# Allegro board 2522-mb-pro_vc.brd (continued)
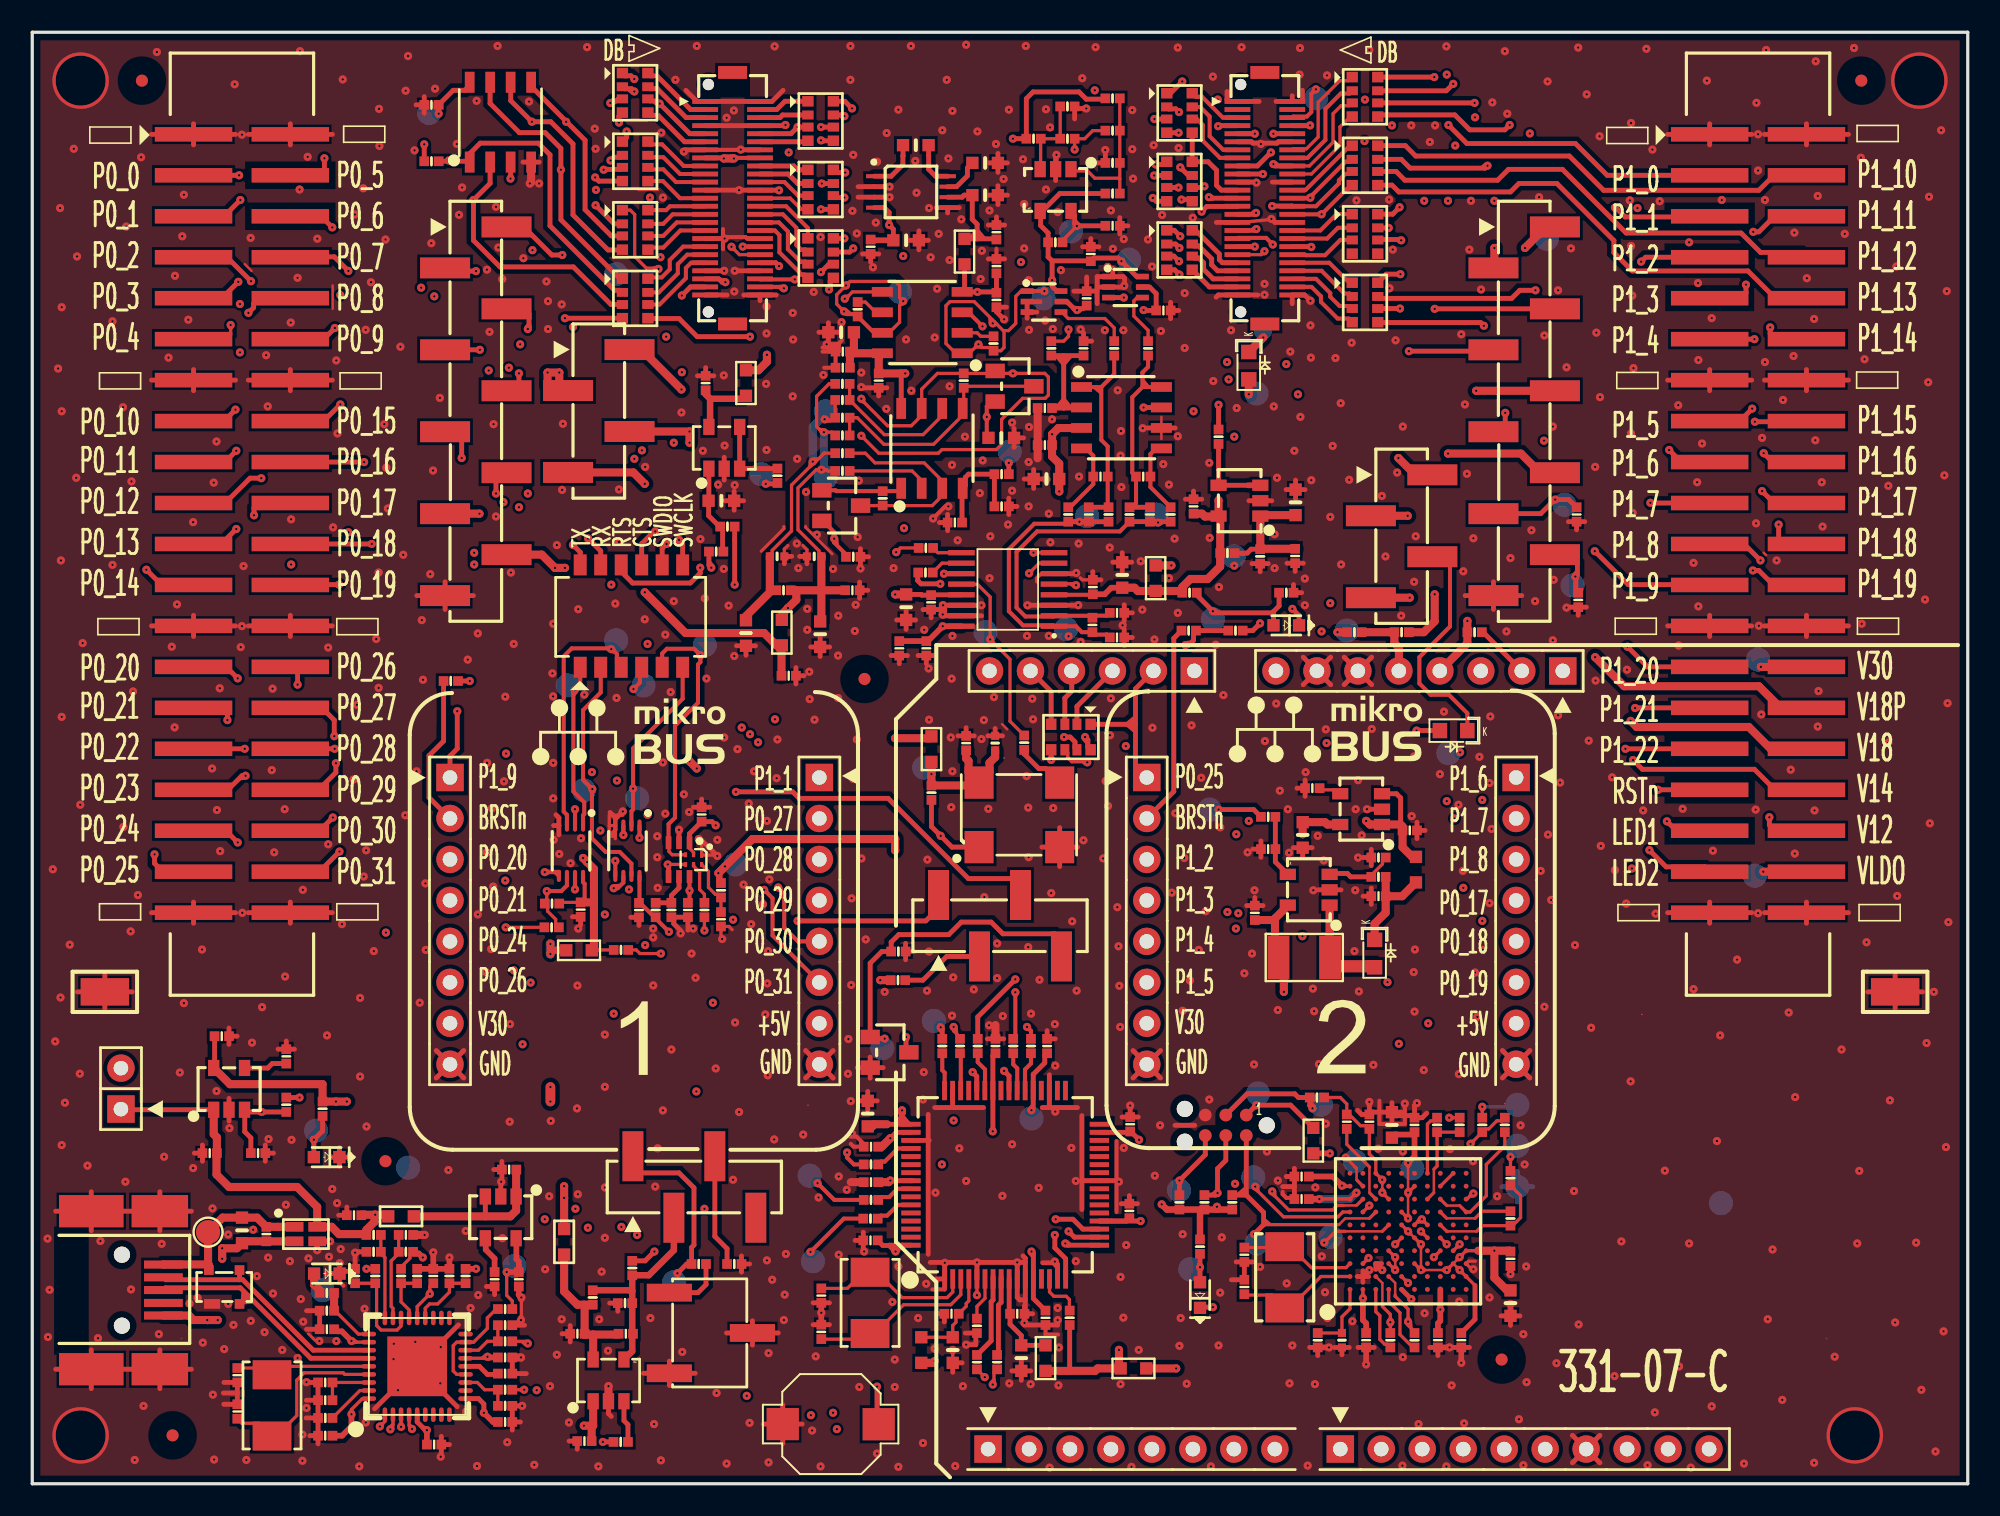
[diagram p0: board, top side]
## Library data of the parts
C1 C3 C4 C102 C103 C116 C117 C123 = C: room: 680
C6-C19 C98 C115 = C: room: Segger
C20 C21 C75-C80 C85 C87-C89 C95 C104 C107 C121 C122 = C: room: power
C22-C41 C43 C84 C91 C93 C96 C97 C99 C106 C108 C111-C114 C118-C120 = C: room: meas
C44 C57 C61 C86 C92 C109 C110 = C
C45-C55 C58 C60 C67 C74 C105 = C: room: FTDI
C56 C59 C62-C66 C68-C73 = C: room: USBHUB
D1 D2 D5 = LED: room: power
D3 D8 = DIODE: Tolerance: *
D4 = LED: room: USBHUB
D7 = PRTR5V0U2X: room: USBHUB
D9 = DIODE SHOTTKY: Tolerance: *; User Part Number: NP.RB521S30T1G; room: power
J1 J2 = HEADER 25x2/SM
J3 J4 = HEADER 20x2/SM
J5 J8-J10 = hdr_1x04_smt: room: meas
J6 = hdr_1x02: room: power
J7 = TagConnect: room: Segger
J11 J14-J18 = CONN SOCKET 08X1
J12 = CONN SOCKET 10X1
J13 = CONN SOCKET 06X1
J19 J20 = HEADER 10/SM
JS1-JS6 = jmp_str_s
K1 = SKPMAPE010
L1 = SRF0504_8: room: USBHUB
L2 = INDUCTOR: User Part Number: BRL3225T4R7M; Tolerance: *; room: power
LP1 LP5 LP8-LP10 LP13 = INDUCTOR: room: power
LP2 = INDUCTOR: room: Segger
LP3 LP4 LP12 = INDUCTOR: room: meas
LP6 LP7 = INDUCTOR: room: FTDI
LP11 = INDUCTOR: room: 680
Q1-Q3 = DMG1012UW-7
R1 = R: signal model: DEFAULT_RESISTOR_0.001OHM_2_1
R3 R46-R51 R54-R56 R58-R60 R62 R64 R66 R118 R120 R147 R150 = R: room: USBHUB
R4 R24 R85 R92 R95 R115 R116 R136 R137 R143-R146 R149 R151 R305-R307 R309 R312 R313 = R
R7 = R: room: 680; signal model: DEFAULT_RESISTOR_820OHM_2_1
R8 = R: room: Segger; signal model: DEFAULT_RESISTOR_820OHM_2_1
R9 = R: room: Segger; signal model: DEFAULT_RESISTOR_0.001OHM_2_1
R10-R19 R21 R37 R38 = R: room: Segger
R20 = R: room: Segger; signal model: DEFAULT_RESISTOR_10OHM_2_1
R23 R25 R70 R71 R83 R84 R93 R124 R138 R139 R314 = R: room: power
R26-R31 R33-R36 R39 R40 R44 R77 R78 R80 R109 R111 R112 R117 R119 R141 R142 R148 R310 R311 = R: room: meas
R52 R53 R57 R61 R63 R65 R67 R68 R81 R82 R114 R129 R135 R152 = R: room: FTDI
R72 R79 R121 R308 = R: room: 680
R127 = RESISTOR VAR
RN1-RN15 = RESAR_IS_4/SM: room: 680
S1 = SW DIP-6
T1-T5 = Bumpon
TP1-TP10 = TESTPOINT: room: Segger
TP11 TP19 TP20 TP36 TP58 TP59 TP64 TP74 = TESTPOINT: room: USBHUB
TP12-TP17 TP42 TP60-TP63 TP69 TP70 = TESTPOINT: room: meas
TP18 = TESTPOINT: room: FTDI
TP23 TP37-TP41 = TESTPOINT: room: power
TP24-TP27 TP45-TP47 TP66 TP71-TP73 TP78 = TESTPOINT
TP28 TP29 = TestPoint_Mech
TP30-TP32 TP44 TP48-TP52 TP54 TP56 TP57 TP75-TP77 = TESTPOINT: room: 680
TP65 = ESD_WARNING_LABEL
TP67 TP68 = MikroBUS_LOGO
U1 = LMV321AS5X: room: 680
U2 = SPI-PSRAM
U3 = LSF0101DRYR
U4 = ATSAM3U2CA-CU
U5 = AP2127K-ADJTRG1
U6 U9 = AD8572ARZ-REEL7
U7 = THS4521ID
U8 = ADS1271IPWR
U10 = LMV321AS5X: room: meas
U11 = USB2512B: room: USBHUB
U12 = FT2232HL: Tolerance: TOL
U13 U14 = RT9193
U15 U16 = NC7SB3157P6X
U17 = MIC5205-5.0YM5-TR
U18 = AP3012KTR-G1: room: power
U19 = AP331AWRG-7
U20 = LM7705
U21 = NTB0101GW
U22 U23 = NC7NZ34K8X
USB1 = USBminiB_6750310
Y1 = CRYSTAL: room: Segger
Y2 = oscillator: room: meas
Y3 = CRYSTAL: room: USBHUB
Y4 = CRYSTAL: room: FTDI

## Footprints (pads in the part's own frame, mm; a bottom-side part is the same pattern mirrored in y, then rotated)
3M_SJ61A1
  round 0.125 smd: 1(-0.249,0)
8VSSOP
  rect 1.02x0.25 smd: 1(-2.275,0.975) 2(-2.275,0.325) 3(-2.275,-0.325) 4(-2.275,-0.975) 5(2.275,-0.975) 6(2.275,-0.325) 7(2.275,0.325) 8(2.275,0.975)
3020-40-0300-00
  rect 0.9x4.8 smd: 1(-24.17,-3) 2(-24.17,3) 3(-21.63,-3) 4(-21.63,3) 5(-19.09,-3) 6(-19.09,3) 7(-16.55,-3) 8(-16.55,3) 9(-14.01,-3) 10(-14.01,3) 11(-11.47,-3) 12(-11.47,3) 13(-8.93,-3) 14(-8.93,3) 15(-6.39,-3) 16(-6.39,3) 17(-3.85,-3) 18(-3.85,3) 19(-1.31,-3) 20(-1.31,3) 21(1.23,-3) 22(1.23,3) 23(3.77,-3) 24(3.77,3) 25(6.31,-3) 26(6.31,3) 27(8.85,-3) 28(8.85,3) 29(11.39,-3) 30(11.39,3) 31(13.93,-3) 32(13.93,3) 33(16.47,-3) 34(16.47,3) 35(19.01,-3) 36(19.01,3) 37(21.55,-3) 38(21.55,3) 39(24.09,-3) 40(24.09,3)
87898-04XX
  rect 1.3x3.1 smd: 1(-3.81,1.905) 2(-1.27,-1.905) 3(1.27,1.905) 4(3.81,-1.905)
10132797-05XX
  rect 0.8x1.8 smd: (-7.8,0) (7.8,0)
  round 0.7 hole 0.7 unplated: (-7.05,1.5) (7.05,1.5)
  rect 0.3x1.6 smd: 1(6,1.7) 2(6,-1.7) 3(5.5,1.7) 4(5.5,-1.7) 5(5,1.7) 6(5,-1.7) 7(4.5,1.7) 8(4.5,-1.7) 9(4,1.7) 10(4,-1.7) 11(3.5,1.7) 12(3.5,-1.7) 13(3,1.7) 14(3,-1.7) 15(2.5,1.7) 16(2.5,-1.7) 17(2,1.7) 18(2,-1.7) 19(1.5,1.7) 20(1.5,-1.7) 21(1,1.7) 22(1,-1.7) 23(0.5,1.7) 24(0.5,-1.7) 25(0,1.7) 26(0,-1.7) 27(-0.5,1.7) 28(-0.5,-1.7) 29(-1,1.7) 30(-1,-1.7) 31(-1.5,1.7) 32(-1.5,-1.7) 33(-2,1.7) 34(-2,-1.7) 35(-2.5,1.7) 36(-2.5,-1.7) 37(-3,1.7) 38(-3,-1.7) 39(-3.5,1.7) 40(-3.5,-1.7) 41(-4,1.7) 42(-4,-1.7) 43(-4.5,1.7) 44(-4.5,-1.7) 45(-5,1.7) 46(-5,-1.7) 47(-5.5,1.7) 48(-5.5,-1.7) 49(-6,1.7) 50(-6,-1.7)
C1005
  rect 0.599x0.599 smd: 1(-0.447,0) 2(0.447,0)
C1608
  rect 0.762x0.762 smd: 1(-0.792,0) 2(0.792,0)
ESD_WARNING_LABEL
  round 0.1 smd: 1(0,0)
FID_750
  round 0.75 smd: 1(0,0)
HDR_254_1X02
  rect 1.7x1.7 hole 0.9: 1(-1.27,0)
  round 1.7 hole 0.9: 2(1.27,0)
HDR_254_1X10_S
  rect 1.3x3.1 smd: 1(-11.43,1.905) 2(-8.89,-1.905) 3(-6.35,1.905) 4(-3.81,-1.905) 5(-1.27,1.905) 6(1.27,-1.905) 7(3.81,1.905) 8(6.35,-1.905) 9(8.89,1.905) 10(11.43,-1.905)
JMP_254_S_K
  round 0.1 smd: 1(-1.27,1.905) 2(1.27,-1.905)
JMP_254_S_KR
  round 0.1 smd: 1(1.27,1.905) 2(-1.27,-1.905)
L1608
  rect 0.762x0.762 smd: 1(-0.792,0) 2(0.792,0)
L3225
  rect 1.349x2.7 smd: 1(-1.6,0) 2(1.6,0)
LED1608
  rect 0.762x0.762 smd: 1(-0.792,0) 2(0.792,0)
MIKROBUS
  round 0.1 smd: 1(10.795,-11.43)
QFN50P600X600X100-37N
  oval 0.9x0.28 smd: 1(-3,2) 2(-3,1.5) 3(-3,1) 4(-3,0.5) 5(-3,0) 6(-3,-0.5) 7(-3,-1) 8(-3,-1.5) 9(-3,-2) 19(3,-2) 20(3,-1.5) 21(3,-1) 22(3,-0.5) 23(3,0) 24(3,0.5) 25(3,1) 26(3,1.5) 27(3,2)
  oval 0.28x0.9 smd: 10(-2,-3) 11(-1.5,-3) 12(-1,-3) 13(-0.5,-3) 14(0,-3) 15(0.5,-3) 16(1,-3) 17(1.5,-3) 18(2,-3) 28(2,3) 29(1.5,3) 30(1,3) 31(0.5,3) 32(0,3) 33(-0.5,3) 34(-1,3) 35(-1.5,3) 36(-2,3)
  rect 3.7x3.7 smd: GND(0,0)
QFP50P1200X1200X160-64N
  rect 1.2x0.3 smd: 1(-5.84,3.75) 2(-5.84,3.25) 3(-5.84,2.75) 4(-5.84,2.25) 5(-5.84,1.75) 6(-5.84,1.25) 7(-5.84,0.75) 8(-5.84,0.25) 9(-5.84,-0.25) 10(-5.84,-0.75) 11(-5.84,-1.25) 12(-5.84,-1.75) 13(-5.84,-2.25) 14(-5.84,-2.75) 15(-5.84,-3.25) 16(-5.84,-3.75) 33(5.84,-3.74) 34(5.84,-3.24) 35(5.84,-2.74) 36(5.84,-2.24) 37(5.84,-1.74) 38(5.84,-1.24) 39(5.84,-0.74) 40(5.84,-0.24) 41(5.84,0.26) 42(5.84,0.76) 43(5.84,1.26) 44(5.84,1.76) 45(5.84,2.26) 46(5.84,2.76) 47(5.84,3.26) 48(5.84,3.76)
  rect 0.3x1.2 smd: 17(-3.75,-5.84) 18(-3.25,-5.84) 19(-2.75,-5.84) 20(-2.25,-5.84) 21(-1.75,-5.84) 22(-1.25,-5.84) 23(-0.75,-5.84) 24(-0.25,-5.84) 25(0.25,-5.84) 26(0.75,-5.84) 27(1.25,-5.84) 28(1.75,-5.84) 29(2.25,-5.84) 30(2.75,-5.84) 31(3.25,-5.84) 32(3.75,-5.84) 49(3.75,5.84) 50(3.25,5.84) 51(2.75,5.84) 52(2.25,5.84) 53(1.75,5.84) 54(1.25,5.84) 55(0.75,5.84) 56(0.25,5.84) 57(-0.25,5.84) 58(-0.75,5.84) 59(-1.25,5.84) 60(-1.75,5.84) 61(-2.25,5.84) 62(-2.75,5.84) 63(-3.25,5.84) 64(-3.75,5.84)
R1005
  rect 0.599x0.599 smd: 1(-0.447,0) 2(0.447,0)
R1608
  rect 0.762x0.762 smd: 1(-0.792,0) 2(0.792,0)
RN_MNR14
  rect 0.65x0.7 smd: 1(-1.22,-0.79) 4(1.23,-0.79) 5(1.23,0.79) 8(-1.22,0.79)
  rect 0.55x0.7 smd: 2(-0.37,-0.79) 3(0.38,-0.79) 6(0.38,0.79) 7(-0.37,0.79)
SCK_254_1X06
  rect 1.7x1.7 hole 0.9: 1(-6.35,0)
  round 1.7 hole 0.9: 2(-3.81,0) 3(-1.27,0) 4(1.27,0) 5(3.81,0) 6(6.35,0)
SCK_254_1X08
  rect 1.7x1.7 hole 0.9: 1(-8.89,0)
  round 1.7 hole 0.9: 2(-6.35,0) 3(-3.81,0) 4(-1.27,0) 5(1.27,0) 6(3.81,0) 7(6.35,0) 8(8.89,0)
SCK_254_1X10
  rect 1.7x1.7 hole 0.9: 1(-11.43,0)
  round 1.7 hole 0.9: 2(-8.89,0) 3(-6.35,0) 4(-3.81,0) 5(-1.27,0) 6(1.27,0) 7(3.81,0) 8(6.35,0) 9(8.89,0) 10(11.43,0)
SKPMAPE010
  rect 2x2 smd: 1(-2.98,0.01) 2(2.97,0)
SOD-523
  rect 0.9x0.95 smd: 1(-0.85,0) 2(0.85,0)
SOIC127P600X175-8N
  rect 1.3x0.6 smd: 1(-2.475,1.905) 2(-2.475,0.635) 3(-2.475,-0.635) 4(-2.475,-1.905) 5(2.475,-1.905) 6(2.475,-0.635) 7(2.475,0.635) 8(2.475,1.905)
SON50P150X105X60-6N
  rect 0.35x0.2 smd: 1(-0.28,0.5)
  rect 0.3x0.2 smd: 2(-0.3,0) 3(-0.3,-0.5) 4(0.3,-0.5) 5(0.3,0) 6(0.3,0.5)
SOP50P310X90-8N
  oval 0.75x0.25 smd: 1(-1.562,0.75) 2(-1.562,0.25) 3(-1.562,-0.25) 4(-1.562,-0.75) 5(1.562,-0.75) 6(1.562,-0.25) 7(1.562,0.25) 8(1.562,0.75)
SOP65P640X120-16N
  rect 1.65x0.33 smd: 1(-2.87,2.28) 2(-2.87,1.63) 3(-2.87,0.98) 4(-2.87,0.33) 5(-2.87,-0.33) 6(-2.87,-0.98) 7(-2.87,-1.63) 8(-2.87,-2.28) 9(2.87,-2.28) 10(2.87,-1.63) 11(2.87,-0.98) 12(2.87,-0.33) 13(2.87,0.33) 14(2.87,0.98) 15(2.87,1.63) 16(2.87,2.28)
SOT65P210X110-6N
  rect 0.8x0.35 smd: 1(-1.05,0.65) 2(-1.05,0) 3(-1.05,-0.65) 4(1.05,-0.65) 5(1.05,0) 6(1.05,0.65)
SOT95P237X112-3N
  rect 0.9x1.2 smd: 1(-0.95,-1.2) 2(0.95,-1.2) 3(0,1.2)
SOT95P280X110-5N
  rect 1.001x0.701 smd: 1(-1.31,1) 2(-1.31,0.05) 3(-1.31,-0.91) 4(1.28,-0.91) 5(1.28,1)
SOT95P280X145-5N
  rect 1.001x0.701 smd: 1(-1.31,1) 2(-1.31,0.05) 3(-1.31,-0.91) 4(1.28,-0.91) 5(1.28,1)
SOT143
  rect 1x0.6 smd: 1(-0.75,-1.05)
  rect 0.6x0.6 smd: 2(0.95,-1.05) 3(0.95,1.05) 4(-0.95,1.05)
SRF2012
  rect 1.1x0.6 smd: 1(-0.7,0.45) 2(0.7,0.45) 3(0.7,-0.45) 4(-0.7,-0.45)
SW_DIP_97C06SRT
  rect 0.8x1.3 smd: 1(-3.175,-3.175) 2(-1.905,-3.175) 3(-0.635,-3.175) 4(0.635,-3.175) 5(1.905,-3.175) 6(3.175,-3.175) 7(3.175,3.175) 8(1.905,3.175) 9(0.635,3.175) 10(-0.635,3.175) 11(-1.905,3.175) 12(-3.175,3.175)
TC2030-IDC-NL
  round 1 hole 1 unplated: (-2.54,0) (2.54,1.016) (2.54,-1.016)
  round 0.787 smd: 1(-1.27,-0.635) 2(-1.27,0.635) 3(0,-0.635) 4(0,0.635) 5(1.27,-0.635) 6(1.27,0.635)
TFBGA100
  round 0.3 smd: A1(-3.6,3.6) A2(-2.8,3.6) A3(-2,3.6) A4(-1.2,3.6) A5(-0.4,3.6) A6(0.4,3.6) A7(1.2,3.6) A8(2,3.6) A9(2.8,3.6) A10(3.6,3.6) B1(-3.6,2.8) B2(-2.8,2.8) B3(-2,2.8) B4(-1.2,2.8) B5(-0.4,2.8) B6(0.4,2.8) B7(1.2,2.8) B8(2,2.8) B9(2.8,2.8) B10(3.6,2.8) C1(-3.6,2) C2(-2.8,2) C3(-2,2) C4(-1.2,2) C5(-0.4,2) C6(0.4,2) C7(1.2,2) C8(2,2) C9(2.8,2) C10(3.6,2) D1(-3.6,1.2) D2(-2.8,1.2) D3(-2,1.2) D4(-1.2,1.2) D5(-0.4,1.2) D6(0.4,1.2) D7(1.2,1.2) D8(2,1.2) D9(2.8,1.2) D10(3.6,1.2) E1(-3.6,0.4) E2(-2.8,0.4) E3(-2,0.4) E4(-1.2,0.4) E5(-0.4,0.4) E6(0.4,0.4) E7(1.2,0.4) E8(2,0.4) E9(2.8,0.4) E10(3.6,0.4) F1(-3.6,-0.4) F2(-2.8,-0.4) F3(-2,-0.4) F4(-1.2,-0.4) F5(-0.4,-0.4) F6(0.4,-0.4) F7(1.2,-0.4) F8(2,-0.4) F9(2.8,-0.4) F10(3.6,-0.4) G1(-3.6,-1.2) G2(-2.8,-1.2) G3(-2,-1.2) G4(-1.2,-1.2) G5(-0.4,-1.2) G6(0.4,-1.2) G7(1.2,-1.2) G8(2,-1.2) G9(2.8,-1.2) G10(3.6,-1.2) H1(-3.6,-2) H2(-2.8,-2) H3(-2,-2) H4(-1.2,-2) H5(-0.4,-2) H6(0.4,-2) H7(1.2,-2) H8(2,-2) H9(2.8,-2) H10(3.6,-2) J1(-3.6,-2.8) J2(-2.8,-2.8) J3(-2,-2.8) J4(-1.2,-2.8) J5(-0.4,-2.8) J6(0.4,-2.8) J7(1.2,-2.8) J8(2,-2.8) J9(2.8,-2.8) J10(3.6,-2.8) K1(-3.6,-3.6) K2(-2.8,-3.6) K3(-2,-3.6) K4(-1.2,-3.6) K5(-0.4,-3.6) K6(0.4,-3.6) K7(1.2,-3.6) K8(2,-3.6) K9(2.8,-3.6) K10(3.6,-3.6)
TP3216
  rect 3x1.7 smd: 1(0,0)
TP_1150U
  round 1.15 smd: 1(0,0)
TP_BOT_SM
  round 1.5 smd: 1(0,0)
TRIM_84W
  rect 2.8x1.1 smd: 1(-2.5,-2.5) 2(2.65,0) 3(-2.5,2.5)
USB_67503-1020
  round 1 hole 1 unplated: (-0.059,2.2) (-0.059,-2.2)
  rect 2.4x0.5 smd: 1(-2.63,-1.59) 2(-2.63,-0.8) 3(-2.63,-0.01) 4(-2.63,0.79) 5(-2.63,1.57)
  rect 3.5x2 smd: 6(-2.411,4.9) 9(-2.411,-4.9)
  rect 4x2 smd: 7(1.841,4.9) 8(1.841,-4.9)
XT_OSC_7X5
  rect 1.8x2 smd: 1(0,0) 2(5,0) 3(5,4) 4(0,4)
XTAL_5X3
  rect 1.8x2.4 smd: 1(-1.9,0) 2(1.9,0)
Z1005
  rect 0.5x0.5 smd: 1(-0.45,0) 2(0.45,0)

## Nets
3.3V: C4.2 C33.1 C34.2 C50.1 C51.2 C52.2 C53.2 C60.2 C117.2 J19.9 LP1.1 LP6.1 LP7.1 LP9.2 LP10.1 R1.1 R38.1 R65.1 R309.1 TP38.1 U8.13(DVDD) U12.20(VCCIO#20) U12.31(VCCIO#31) U12.42(VCCIO#42) U12.50(VREGIN) U12.56(VCCIO#56) U21.6(VCCB) U23.8(VCC)
3.3VA: C36.2 C40.2 LP10.2 R77.1 TP40.1 Y2.4(VCC)
5.0V: C86.1 J19.8 LP11.2 LP12.2 TP39.1 U17.5(OUT)
5.0VA: C23.2 C24.1 C26.1 C27.2 C31.1 C32.2 C38.2 C91.2 C93.2 C95.1 C96.2 C97.2 LP12.1 R78.1 R118.1 R135.2 TP15.1 U6.8(V+) U7.3(+VCC) U7.7(EN) U8.4(AVDD) U9.8(V+) U10.5(+VCC) U15.5(VCC) U16.5(VCC) U19.5(+VCC)
6.0V: C87.2 D9.2(A) LP13.2 TP37.1 U17.1(IN) U17.3(EN)
GND: C1.1 C3.1 C4.1 C6.1 C7.1 C8.1 C9.1 C10.1 C11.1 C12.1 C13.1 C14.1 C15.1 C17.2 C18.2 C19.1 C20.2 C21.1 C23.1 C24.2 C25.2 C26.2 C27.1 C28.1 C29.1 C31.2 C32.1 C33.2 C34.1 C35.2 C36.1 C38.1 C39.1 C40.1 C41.1 C43.1 C44.2 C45.2 C46.1 C47.2 C48.1 C49.1 C50.2 C51.1 C52.1 C53.1 C54.2 C55.1 C56.2 C58.1 C59.1 C60.1 C61.2 C63.2 C64.2 C65.2 C66.2 C67.1 C68.2 C69.2 C70.2 C71.1 C72.1 C73.1 C74.2 C75.1 C76.1 C77.1 C78.1 C79.2 C80.1 C84.1 C85.1 C86.2 C87.1 C88.2 C89.1 C91.1 C92.1 C93.1 C95.2 C96.1 C97.1 C98.2 C99.1 C102.1 C103.2 C104.1 C105.1 C106.1 C107.2 C108.1 C110.2 C111.2 C112.1 C113.2 C114.1 C116.2 C117.1 C118.1 C121.2 C122.2 C123.2 D4.1(CATHODE) D5.1(CATHODE) D7.1(GND) J1.1 J1.2 J1.7 J1.8 J1.13 J1.14 J1.23 J1.24 J1.35 J1.36 J1.43 J1.44 J1.49 J1.50 J2.1 J2.2 J2.11 J2.12 J2.21 J2.22 J2.31 J2.32 J2.37 J2.38 J2.49 J2.50 J3.1 J3.2 J3.13 J3.14 J3.25 J3.26 J3.39 J3.40 J4.1 J4.2 J4.13 J4.14 J4.25 J4.26 J4.39 J4.40 J7.5 J11.6 J11.7 J12.7 J15.8 J16.8 J17.8 J18.8 J19.10 J20.10 K1.2 L1.3 Q3.2(S) R21.2 R25.2 R33.2 R49.2 R50.2 R51.2 R54.2 R56.2 R57.1 R58.2 R60.2 R64.2 R80.2 R84.2 R93.1 R112.2 R115.1 R120.2 R127.1(A) R127.2(WIPER) R136.1 R139.1 R148.2 R149.2 R150.2 R306.2 T1.1 T2.1 T3.1 T4.1 T5.1 TP24.1 TP25.1 TP26.1 TP27.1 TP28.1 TP29.1 TP65.1 TP67.1(GND) TP68.1(GND) TP78.1 U1.2(-VCC) U2.4(GND) U3.1(GND) U4.B2(GNDUTMI) U4.C3(GNDPLL) U4.E2(GND2) U4.E5(GNDBU) U4.F6(GND1) U4.G6(GND3) U4.J4(PA30) U4.K3(GNDANA) U5.2(GND) U7.6(-VCC) U8.3(AGND) U8.6(FORMAT) U8.14(DGND) U8.15(VREFN) U10.2(-VCC) U11.GND U12.1(GND#1) U12.5(GND#5) U12.10(AGND) U12.11(GND#11) U12.15(GND#15) U12.25(GND#25) U12.35(GND#35) U12.47(GND#47) U12.51(GND#51) U13.2(GND) U14.2(GND) U15.1(B1) U15.2(GND) U16.2(GND) U16.3(B0) U17.2(GND) U18.2(GND) U19.2(-VCC) U20.2(VSS#2) U20.3(SD) U20.5(VSS#5) U21.2(GND) U22.4(GND) U23.4(GND) USB1.6(GND1) USB1.7(GND2) USB1.8(GND3) USB1.9(GND4) Y2.2(GND)
V12: C103.1 J2.29 J4.36 J20.9 TP31.1
V14: C102.2 J2.25 J4.34 J20.8 TP32.1
V18: C92.2 J2.27 J4.32 J20.1 R92.2 TP75.1 U2.8(VCC)
V18P: J2.17 J4.30 J20.2
V30: J2.19 J4.28 J11.4 J15.7 J17.7 J20.7 R3.1 R143.2 TP57.1
VBAT: J2.9 J20.6
VBAT_IN: J1.15 J1.16 J4.38 J9.3 JS4.1 TP12.1
VBATN: J2.7 J20.5
VBUS: J2.10 J20.4
VBUS_HUB: C20.1 C56.1 C79.1 J6.1 L1.2 LP2.2 LP8.2 R37.1 R47.1 R307.1 TP19.1 U5.1(VIN) U14.1(VIN)
VBUSN: J2.8 J20.3 R305.1
VDD_3V3_HUB: C68.1 C69.1 C70.1 C71.2 C72.2 C73.2 C77.2 R46.1 R48.1 R59.2 R62.2 R66.2 TP23.1 U11.5(VDD33_1) U11.10(VDD33_2) U11.15(VDD33_3) U11.23(VDD33_4) U11.29(VDD33_5) U11.36(VDD33_6) U13.5(VOUT)
VDD_3V3_PERF: C10.2 C11.2 C12.2 C13.2 C14.2 C16.2 C80.2 C113.1 C114.2 LP9.1 R10.1 R11.1 R12.1 R13.1 R18.1 R70.2 U4.A8(VDDIN) U4.B3(VDDUTMI) U4.C10(VDDBU) U4.D8(FWUP) U4.E6(VDDIO3) U4.F3(VDDIO1) U4.F5(VDDIO2) U4.J3(ADVREF) U4.K2(VDDANA) U4.K4(AD12BVREF) U14.5(VOUT) U20.4(VDD)
VDD_CORE: C6.2 C7.2 C8.2 C9.2 C15.2 TP1.1 U4.A9(VDDOUT) U4.B1(VDDCORE3) U4.D3(VDDPLL) U4.D4(VDDCORE1) U4.E7(VDDCORE2) U4.F9(VDDCORE4) U4.G5(VDDCORE5) U4.H1(VDDCORE6)
VDDIO: C3.2 C116.1 R4.1 R72.1 TP44.1 U3.2(VA) U21.1(VCCA) U22.8(VCC)
VINN: C37.2 C39.2 C119.1 R26.1 R31.2 TP13.1 U8.2(AINN)
VINP: C35.1 C37.1 C120.1 R34.2 R35.1 TP14.1 U8.1(AINP)
-VGG: C107.1 C108.2 LP3.1 R151.2 TP70.1 U9.4(V-)
_ADC0: J2.26 RN8.2 RN9.6
_ADC1: J1.38 RN13.5 RN14.8
_ADC2: J1.10 RN3.3 RN14.7
_ADC3: J1.9 RN1.6 RN14.6
_ADC4: J2.30 RN8.4 RN14.5
_ADC5: J2.28 RN8.3 RN9.5
_PWM1: J2.18 RN7.3 RN9.7
_PWM2: J2.23 RN5.5 RN9.8
A_D4_2: D2.2(ANODE) R18.2 TP9.1
AD_DI: J19.3 R63.2 U8.8(DIN)
AD_DO: J19.2 Q3.3(D) R39.1 U12.40(BDBUS2)
AD_DRDY: J19.6 R40.2 U12.44(BDBUS5)
AD_MODE: J19.7 R68.2 U8.5(MODE)
AD_SCLK: J19.4 R61.2 U8.11(SCLK)
AD_SYNC: J19.5 R67.2 U8.7(\S\Y\N\C\\/\P\D\W\N\\\)
ADC0: J13.1 J15.1 RN9.3
ADC1: J13.2 J17.1 RN14.1
ADC2: J13.3 RN14.2
ADC3: J13.4 RN14.3
ADC4: J13.5 RN14.4
ADC5: J13.6 RN9.4
BRSTN: R144.1 R145.1 R146.1 U23.2(3Y)
C_TRIG: J8.4 JS2.2 Q3.1(G) R120.1 TP56.1
D0: J4.7 J14.1 J17.3 RN5.2
D1: J4.9 J14.2 J17.4 RN7.7
D2: J4.11 J14.3 J17.5 RN5.1
D3: J4.15 J14.4 J17.6 RN7.8
D4: J4.19 J14.5 J18.2 RN7.5
D5: J4.21 J14.6 J18.3 RN6.1
DFSDM: R19.1 U4.D1(DFSDM)
DFSDP: R20.1 U4.C1(DFSDP)
ERASE: TP3.1 U4.D6(ERASE)
HDRVM: J1.48 J10.2
HDRVP: J1.46 J10.1
IOREF: J11.2 R143.1
JRST: D3.1(CATHODE) J10.3 JS6.1
LED1: J2.33 J4.35
LED2: J2.35 J4.37
M33_SWCLK: S1.6(A6) TP54.1 U22.2(3Y)
M33_SWDIO: S1.5(A5) TP49.1 U3.3(A) U21.3(A)
NRST: J7.3 R12.2 TP5.1 U4.B7(NRST)
NRSTB: C16.1 U4.C8(NRSTB)
OSC_EN: J19.1 R77.2 R82.2 TP58.1 Y2.1(E/D)
P0_0: J3.3 RN10.3 U2.5(SI/SIO0)
P0_1: J3.5 RN13.3 U2.2(SO/SIO1)
P0_2: J3.7 RN11.5 U2.3(SIO2)
P0_3: J3.9 RN13.1 U2.7(SIO3)
P0_4: J3.11 R92.1 RN13.2 U2.1(C\E\)
P0_5: J3.4 RN10.4 U2.6(SCLK)
P0_6: J3.6 J8.1 JS1.1 RN11.6
P0_7: J3.8 RN3.5 S1.9(B4)
P0_8: J3.10 RN3.6 S1.11(B2)
P0_9: J3.12 RN1.3 S1.12(B1)
P0_10: J3.15 RN3.8 S1.8(B5)
P0_11: J3.17 RN3.7 S1.7(B6)
P0_12: J3.19 R308.1 RN1.1
P0_13: J3.21 RN1.2
P0_14X: J1.45 J3.23
P0_15X: J1.47 J3.16
P0_16: J3.18 J8.3 JS2.1 RN4.7
P0_17: J3.20 J14.7 J18.4 RN4.5
P0_18: J3.22 J14.8 J18.5 RN4.6
P0_19: J3.24 J12.1 J18.6 RN2.2
P0_20: J3.27 J12.2 J15.3 RN2.1
P0_21: J3.29 J12.3 J15.4 RN2.3
P0_22X: J1.42 J3.31
P0_23X: J1.40 J3.33
P0_24: J3.35 J12.4 J15.5 RN10.1
P0_25: J3.37 RN13.4
P0_26: J3.28 J12.5 J15.6 RN4.8
P0_27: J3.30 J12.6 J16.2 RN11.8
P0_28: J3.32 J12.9 J16.3 RN11.7
P0_29: J3.34 J12.10 J16.4 RN2.4
P0_30: J3.36 J16.5 RN1.4
P0_31: J3.38 J16.6 RN10.2
P1_0: J4.3 RN5.3 S1.10(B3)
P1_1: J4.5 RN7.6
P1_6: J4.17 RN5.4
P1_9: J4.23 RN8.7
P1_10: J4.4 RN8.8
P1_11: J4.6 RN12.7
P1_12: J4.8 RN8.6
P1_13: J4.10 RN8.5
P1_14: J4.12 RN12.8
P1_15: J4.16 RN6.2
P1_16: J4.18 RN6.3
P1_17: J4.20 RN6.4
P1_18: J4.22 RN12.6
P1_19: J4.24 RN15.8
P1_20: J4.27 RN15.7
P1_21: J4.29 RN15.6
P1_22: J4.31 RN15.5
PA4: R8.2 U4.G10(PA4/PGMM0)
PA15: R14.1 R15.2 U4.H6(PA15/PGMD7)
PA17: R16.2 U4.H8(PA24) U4.K7(PA17/PGMD9)
PA18: R14.2 U4.H7(PA18/PGMD10)
PA22: R16.1 R17.2 U4.H4(PA22/PGMD14)
PA29: D2.1(CATHODE) U4.E1(PA29)
PWM1: J16.1 RN9.2
PWM2: J18.1 RN9.1
PWR_ENABLE: R24.2 R71.2 R85.1 R124.2 R129.2 TP20.1
RSTN: D3.2(ANODE) J2.6 J4.33 TP30.1
SWO/TDO: J7.6 R13.2 TP10.1 U4.B8(TDO/TRACESWO)
T_RESET: J10.4 JS6.2 R9.1 R81.2 TP2.1
T_SWCLK: R17.1 TP77.1 U22.6(3A)
T_SWDIO: R1.2 R15.1 TP76.1 U3.4(B) U21.4(B)
TCK/SWCLK: J7.4 R11.2 TP7.1 U4.A7(TCK/SWCLK)
TDI: TP8.1 U4.B9(TDI)
TDIIN: U4.H5(PA13/PGMD5) U4.K8(PA20/PGMD12)
TMS/SWDIO: J7.2 R10.2 TP6.1 U4.C7(TMS/SWDIO)
TRSTIN: U4.H9(PA1/PGMRDY) U4.J10(PA0/PGMNCMD)
U_CTS: U12.18(ADBUS2) U22.3(2A)
U_RTS: U12.19(ADBUS3) U23.5(2Y)
U_RX: U12.16(ADBUS0) U22.1(1A)
U_TX: U12.17(ADBUS1) U23.7(1Y)
UCTS: S1.4(A4) TP52.1 U22.5(2Y)
URTS: S1.3(A3) TP51.1 U23.3(2A)
URX: S1.2(A2) TP50.1 U22.7(1Y)
USBDM: D7.3(IO2) U11.30(USBDM_UP) USB1.2
USBDM_1: R19.2 U4.D2(DHSDM) U11.1(USBDM_DN1)
USBDM_2: R52.1 U11.3(USBDM_DN2/PRT_DIS_M2)
USBDP: D7.2(IO1) U11.31(USBDP_UP) USB1.3
USBDP_1: R20.2 U4.C2(DHSDP) U11.2(USBDP_DN1)
USBDP_2: R53.1 U11.4(USBDP_DN2/PRT_DIS_P2)
UTX: S1.1(A1) TP48.1 U23.1(1A)
VBG: C19.2 R21.1 U4.A1(VBG)
VGS: C118.2 R150.1 R151.1 U6.4(V-)
VLDO: J9.2 JS3.2 LP5.1
VLED: D9.1(C) J2.39 TP66.1
VOVL: Q2.1(G) R119.1 R138.2 R311.2 U6.7(OUT)
VREF: C43.2 C84.2 R79.1 R95.2 R117.1 R137.1 R147.1 TP16.1 U8.16(VREFP)
VREG: C47.1 C48.2 C49.2 C61.1 TP18.1 U12.12(VCORE#12) U12.37(VCORE#37) U12.49(VREGOUT) U12.64(VCORE#64)
VS-: C28.2 C122.1 LP4.1 R28.1 R30.1 R111.1 R141.1 R306.1 R314.2 TP63.1
VX5V: J11.5 J16.7 J18.7 R305.2 R307.2
XIN: C17.1 U4.A2(XIN) Y1.1
XOUT: C18.1 U4.A3(XOUT) Y1.2
N17073868: J7.1 LP2.1 TP4.1
N17073961: R8.1 R9.2 U4.G8(PA3/PGMNVALID)
N17077772: C75.2 LP8.1 U13.1(VIN) U13.3(EN)
N17077776: C78.2 U14.4(BP)
N17077811: C76.2 U13.4(BP)
N17078999: D4.2(ANODE) R55.2 TP36.1
N17079038: C58.2 U11.14(CRFILT)
N17079102: R50.1 R124.1 U11.12(PRTPWR1/BC_EN1)
N17079104: C63.1 U11.32(XTALOUT) Y3.1
N17079112: C64.1 U11.33(XTALIN/CLKIN) Y3.2
N17079122: R49.1 R129.1 U11.16(PRTPWR2/BC_EN2)
N17079130: C59.2 R48.2 U11.26(RESET_N)
N17079172: C65.1 C66.1 U11.34(PLLFILT)
N17079184: R54.1 U11.35(RBIAS)
N17079186: R46.2 U11.13(OCS_N1) U11.17(OCS_N2)
N17079220: C57.1 C62.1 D7.4(VCC) L1.1 TP74.1 USB1.1
N17079268: C57.2 C62.2 L1.4 USB1.5(GND)
N17079327: R47.2 R51.1 U11.27(VBUS_DET)
N17079355: R55.1 R56.1 U11.28(SUSP_IND/LOCAL_PWR/NON_REM0)
N17079359: R64.1 R66.1 U11.22(SDA/NON_REM1/SMBDATA)
N17079379: R58.1 R59.1 U11.25(HS_IND/CFG_SEL1)
N17079385: R60.1 R62.1 U11.24(SMBCLK/CFG_SEL0/SCL)
N17082298: R44.2 TP17.1 U8.12(CLK)
N17082660: R39.2 U8.9(DOUT)
N17082690: R40.1 U8.10(\D\R\D\Y\/FSYNC)
N17082834: R44.1 Y2.3(OUT)
N17121659: Q1.1(G) R310.2 U6.1(OUT)
N17121678: C22.2 C119.2 R26.2 R29.1 U7.8(+IN)
N17121692: Q1.3(D) R27.2 R310.1 U6.3(+IN)
N17121694: R30.2 U6.2(-IN)
N17121873: C25.1 C106.2 J9.1 JS3.1 R27.1 R28.2 R109.1 R142.1 TP62.1
N17121979: Q1.2(S) R33.1 U9.5(+IN)
N17122254: C22.1 R31.1 U7.5(OUT-)
N17122256: C30.1 R34.1 U7.4(OUT+)
N17122316: C30.2 C120.2 R35.2 R36.1 U7.1(-IN)
N17122322: R29.2 U15.4(A)
N17136414: R72.2 U1.3(-IN) U1.4(OUT)
N17136436: C1.2 LP11.1 U1.5(+VCC)
N17136444: R3.2 R147.2 R148.1 U1.1(+IN)
N17154929: R61.1 U12.38(BDBUS0)
N17154945: R63.1 U12.39(BDBUS1)
N17154973: R68.1 U12.52(BCBUS1)
N17155001: R67.1 U12.43(BDBUS4)
N17155045: C67.2 U12.2(OSCI) Y4.1
N17155047: C74.1 U12.3(OSCO) Y4.2
N17155095: C54.1 C55.2 LP7.2 U12.4(VPHY)
N17155127: C45.1 C46.2 LP6.2 U12.9(VPLL)
N17155179: R65.2 U12.14(R\E\S\E\T\)
N17155343: R53.2 U12.8(DP)
N17155361: R52.2 U12.7(DM)
N17155380: R57.2 U12.6(REF)
N17164497: C104.2 J6.2 R71.1 U14.3(EN)
N17181215: R82.1 U12.48(BCBUS0)
N17181512: C29.2 C99.2 R95.1 U7.2(VOCM)
N17183681: R79.2 U10.3(-IN) U10.4(OUT)
N17218883: C88.1 U17.4(BP)
N17218976: C89.2 D8.1(CATHODE) LP13.1 R83.2
N17222123: C85.2 L2.1 LP1.2 U18.5(VIN)
N17222127: D8.2(ANODE) L2.2 U18.1(SW)
N17222179: R83.1 R84.1 U18.3(FB)
N17222640: C105.2 R85.2 U18.4(S\H\D\N\)
N17232757: R81.1 U12.46(BDBUS7)
N17314139: C21.2 C115.1 LP5.2 R23.1 U5.5(OUT)
N17314141: C115.2 J5.2 JS5.1 R23.2 R25.1 R314.1 U5.4(ADJ)
N17314223: R24.1 U5.3(\\S\H\D\N)
N17317302: D5.2(ANODE) R70.1 TP41.1
N17441945: Q2.3(D) R109.2 R141.2 R311.1 U6.5(+IN)
N17441947: R111.2 R142.2 U6.6(-IN)
N17441976: Q2.2(S) R112.1 U9.3(+IN)
N17445309: C98.1 D1.1(CATHODE) R116.2 R118.2 TP61.1 U15.6(S) U16.6(S) U19.4(OUT)
N17450513: R313.1 U9.2(-IN)
N17450521: R313.2 TP60.1 U9.1(OUT) U16.1(B1)
N17452866: R36.2 U16.4(A)
N17458247: R312.2 TP42.1 U9.7(OUT) U15.3(B0)
N17458255: R312.1 U9.6(-IN)
N17477323: R114.1 U12.59(BCBUS7)
N17477326: R114.2 TP59.1
N17495408: R115.2 R116.1 R117.2 R138.1 U19.1(+IN)
N17497704: R119.2 R137.2 R139.2 U19.3(-IN)
N17613995: C110.1 U20.7(CRES)
N17613998: C109.1 U20.1(CF+)
N17614007: C109.2 U20.8(CF-)
N17614141: C111.1 C112.2 LP3.2 U20.6(VOUT)
N17618469: C41.2 C44.1 R78.2 R80.1 U10.1(+IN)
N17648602: D1.2(ANODE) R135.1 R136.2 TP69.1
N17745479: C121.1 J9.4 JS4.2 LP4.2
N17757174: J2.41 RN6.8
N17757176: J2.43 RN6.7
N17757178: J2.45 RN6.6
N17757180: J2.47 RN6.5
N17757188: J2.13 RN5.7
N17757190: J2.15 RN5.6
N17757192: J2.5 RN5.8
N17757222: J2.14 RN7.1
N17757224: J2.16 RN7.2
N17757228: J2.20 RN7.4
N17757230: J2.24 RN8.1
N17757284: J1.5 RN1.7
N17757290: J1.3 RN1.8
N17757294: J1.11 RN1.5
N17757296: J1.17 RN2.8
N17757298: J1.19 RN2.7
N17757300: J1.21 RN2.6
N17757306: J1.25 RN2.5
N17757308: J1.27 RN10.8
N17757310: J1.29 RN10.7
N17757312: J1.31 RN10.6
N17757314: J1.33 RN10.5
N17757316: J1.37 RN13.8
N17757318: J1.39 RN13.7
N17757320: J1.41 RN13.6
N17757330: J1.12 RN3.4
N17757336: J1.18 RN4.1
N17757338: J1.20 RN4.2
N17757340: J1.32 RN11.3
N17757342: J1.34 RN11.4
N17757344: J1.28 RN11.1
N17757346: J1.30 RN11.2
N17757348: J1.22 RN4.3
N17757407: J2.36 RN12.2
N17757409: J2.34 RN12.1
N17757411: J2.48 RN15.4
N17757413: J2.46 RN15.3
N17757415: J2.44 RN15.2
N17757417: J2.42 RN15.1
N17793015: J1.6 RN3.2
N17793021: J1.4 RN3.1
N17793668: J1.26 RN4.4
N17794479: J2.40 RN12.3
N17834809: J11.3 R144.2
N17836923: R121.2 R127.3(B)
N17837767: J5.1 R121.1 TP11.1
N17837904: J5.3 JS5.2 R93.2
N17839186: R152.2 TP64.1
N17839188: R152.1 U12.57(BCBUS5)
N17842748: K1.1 R7.1
N17903190: J15.2 R145.2
N17950666: J17.2 R146.2
N17956873: J8.2 JS1.2 R7.2
N18079026: R308.2 R309.2 U23.6(3A)
N18166515: C123.1 R38.2 U3.6(EN)
N18173384: R4.2 R149.1 U21.5(OE)
N181603075: R37.2 U3.5(VB)

Pads without a net: J2 3 4; J5 4; J11 1 8; J12 8; RN12 4 5; TP45 1; TP46 1; TP47 1; TP71 1; TP72 1; TP73 1; U4 A4 A5 A6 A10 B4 B5 B6 B10 C4 C5 C6 C9 D5 D7 D9 D10 E3 E4 E8 E9 E10 F1 F2 F4 F7 F8 F10 G1 G2 G3 G4 G7 G9 H2 H3 H10 J1 J2 J5 J6 J7 J8 J9 K1 K5 K6 K9 K10; U11 6 7 8 9 11 18 19 20 21; U12 13 21 22 23 24 26 27 28 29 30 32 33 34 36 41 45 53 54 55 58 60 61 62 63; USB1 4

## Via types
v1: diameter 0.505, hole 0.15, TOP to BOTTOM, 1492 vias
v2: diameter 3.5, hole 3.1, TOP to BOTTOM, 4 vias

## Routing (per net, layer and track width the routed paths; a pad name or vN(x,y) marks a point on that pad's centre or on a via; arc(x,y) is an arc through that point)
3.3V: length 178.1
  TOP w0.2: C117.2 32.69,36.05 32.67,36.02 R309.1 ; R1.1 34.72,33.1
  TOP w0.25: U21.6 v1(40.75,36.77) 40.75,36.2 40.65,36.1 C4.2 ; U23.8 34.15,37.3 34.25,37.2 34.25,36.3 34,36.05
  TOP w0.3: v1(59.55,21.85) 59.55,21.9 59.56,21.91 U12.42 59.56,26.53 C50.1 ; U8.13 55.75,55.12 C34.2 55.15,55.1 55.11,55.14 C33.1 ; v1(53.2,21.43) 53.56,21.79 U12.50 ; v1(53.2,18.8) 53.55,18.8 53.56,18.79 U12.56 54.62,18.79 ; 64.33,7 64.32,7 R65.1 ; 68.02,21.79 68.16,21.79 v1(68.62,21.32) ; 68.02,21.79 U12.31 ; 68.02,21.79 C51.2 ; C52.2 67.84,16.29 66.91,16.29 U12.20 v1(68.72,16.29)
  TOP w0.4: R38.1 42.6,37.35 42.6,37.91 42.78,38.09 42.77,38.09
  TOP w0.5: v1(42.54,37.86) v1(42.95,38.27) 44.65,39.98 v1(53.5,39.98) v1(53.5,39.27) ; LP7.1 55.85,7.5 v1(55.95,7.6) ; 34.83,36.05 34,36.05 C117.2 ; 34.83,36.05 34.83,38.12 v1(34.4,38.55) v1(34.15,38.8) ; 34.83,36.05 34.83,33.21 LP9.2 ; v1(53.2,21.43) 52.67,20.9 C60.2 ; C33.1 v1(53.5,55.14) ; v1(33.02,56.79) v1(32.41,56.79) 31.59,57.61 J19.9 ; v1(53.5,46.23) 55.63,46.23 LP10.1 ; C53.2 53.1,18.7 v1(53.2,18.8) ; v1(67.38,8.3) 67.38,7.26 LP1.1 66.05,7.15 65.9,7 64.33,7 64.32,7 LP6.1
  L2_INT1 w0.5: v1(42.54,37.86) v1(42.95,38.27) ; v1(53.5,39.98) v1(53.5,39.27) ; v1(34.15,38.8) v1(34.4,38.55) ; v1(33.02,56.79) v1(32.41,56.79)
  L3_INT2 w0.5: v1(55.95,7.6) 66.67,7.6 v1(67.38,8.3) ; v1(53.2,21.43) 53.62,21.85 v1(59.55,21.85) 68.1,21.85 v1(68.62,21.32) ; 40.75,37.45 42.12,37.45 v1(42.54,37.86) v1(42.95,38.27) ; 40.75,37.45 v1(40.75,36.77) ; 40.75,37.45 39.3,37.45 38.8,37.95 35,37.95 v1(34.4,38.55) v1(34.15,38.8) ; v1(32.41,56.79) v1(33.02,56.79)
  L4_INT3 w0.5: v1(33.02,56.79) v1(32.41,56.79) ; v1(34.15,38.8) v1(34.4,38.55) ; v1(42.54,37.86) v1(42.95,38.27)
  L5_INT4 w0.5: v1(67.38,8.3) 68.72,9.64 v1(68.72,16.29) 68.72,21.23 v1(68.62,21.32) ; v1(34.4,38.55) v1(34.15,38.8) 33,39.95 33,56.76 v1(33.02,56.79) v1(32.41,56.79) ; v1(53.5,55.14) v1(53.5,46.23) v1(53.5,39.98) v1(53.5,39.27) 53.5,26.95 53.2,26.65 v1(53.2,21.43) v1(53.2,18.8) ; v1(42.54,37.86) v1(42.95,38.27)
  BOTTOM w0.5: v1(42.54,37.86) v1(42.95,38.27) 43.48,38.27 TP38.1 ; v1(34.4,38.55) v1(34.15,38.8) ; v1(33.02,56.79) v1(32.41,56.79)
3.3VA: length 9.2
  TOP w0.5: Y2.4 59.35,44.12 59.35,44.7 59.7,45.05 59.7,45.48 ; Y2.4 58.52,43.3 55.75,43.3 v1(55.75,44) LP10.2 ; Y2.4 58.05,44.12 58.05,44.82 57.9,44.97 C40.2
5.0V: length 98.8
  TOP w0.5: v1(70.62,56.94) LP12.2 ; LP11.2 45.02,69.04 45.55,69.57 v1(45.55,70) ; U17.5 80.3,40.88 80.15,41.02 C86.1 v1(78.77,40.27) ; J19.8 v1(27.73,60.15)
  L3_INT2 w0.5: v1(74.53,56.92) 74.51,56.94 v1(70.62,56.94) ; v1(78.77,40.27) v1(74.65,40.27) ; v1(28.3,69.03) 29.27,70 v1(45.55,70) 69.45,70 v1(74.53,64.92)
  L5_INT4 w0.5: v1(27.73,60.15) 27.73,68.45 v1(28.3,69.03) ; v1(74.65,40.27) 74.53,40.4 v1(74.53,56.92) v1(74.53,64.92)
5.0VA: length 85.4
  TOP w0.2: U19.5 64.4,78.84 64.43,78.81 ; R118.1 63.88,77.1 v1(64.76,77.99) ; 50.94,70.2 C95.1
  TOP w0.25: C32.2 65.72,55.12 U8.4
  TOP w0.3: 68.57,74.2 U15.5 69.28,74.2 69.68,73.79 C91.2 68.92,72.75 v1(68.9,72.78) ; U16.5 64.15,73.3 64.59,72.86 64.69,72.86 v1(64.78,72.78) 64.86,72.86 65.14,72.86 65.33,73.05 C96.2 ; U7.7 v1(68.9,66.73) ; C97.2 64.83,78 64.8,78.03 v1(64.76,77.99) 64.62,78.13 64.62,78.61 64.43,78.81 ; U7.3 65.05,65.46 ; 53.88,68.85 U6.8
  TOP w0.35: C32.2 66.49,55.15 66.9,55.56 C31.1
  TOP w0.5: C38.2 72.52,60.15 72.7,59.98 73.53,59.98 U10.5 ; U10.5 v1(73.55,60.98) ; U10.5 73.65,59.9 R78.1 73.65,57.7 73.65,56.88 72.88,56.1 71.8,56.1 71.3,55.6 R135.2 71.19,55.36 LP12.1 68.54,55.36 68.34,55.56 C31.1 ; C93.2 C95.1 ; C24.1 50.94,70.09 U9.8 52.48,69.87 C23.2 v1(54.12,68.85) ; v1(63.67,61.52) 63.67,62.3 C26.1 63.67,63.25 63.23,63.7 C27.2 63.23,64.4 v1(63.23,65.08) 63.62,65.46 65.05,65.46
  L3_INT2 w0.3: v1(54.12,68.85) 59.46,68.85 63.23,65.08
  L3_INT2 w0.5: v1(63.67,61.52) 64.22,60.98 v1(73.55,60.98) ; 63.23,65.08 v1(63.23,65.08) 65.35,65.08 67.01,66.73 v1(68.9,66.73) ; v1(64.78,72.78) v1(68.9,72.78)
  L5_INT4 w0.3: v1(64.76,77.99) 64.75,77.97 64.75,72.8 v1(64.78,72.78)
  L5_INT4 w0.5: v1(68.9,72.78) v1(68.9,66.73)
6.0V: length 42.3
  TOP w0.3: 84.84,40.88 84.84,42.52 84.58,42.78 U17.3
  TOP w0.5: v1(75.42,67.55) D9.2 ; v1(82.7,41.1) 82.92,40.88 U17.1 84.84,40.88 84.96,40.75 C87.2 84.96,39.47 85.55,38.87 LP13.2
  L3_INT2 w0.5: v1(75.42,41.1) v1(82.7,41.1)
  L5_INT4 w0.5: v1(75.42,41.1) v1(75.42,67.55)
GND: length 787.4
  TOP w0.15: 37.58,80.22 38.8,80.22 ; 70,64.78 U7.6 70,66.16 ; 13.6,75.2 13.18,75.62 ; 18.62,74.3 18.62,72.85 ; 60.12,47.1 60.45,46.77 ; 107.35,57.73 107.5,57.58
  TOP w0.175: 17.52,8.9 17.12,9.3 ; 49.6,57.65 47.95,59.3 47.95,59.38
  TOP w0.2: J2.31 74.75,78.19 76.8,78.39 v1(76.83,78.42) ; 36.15,40.38 36.15,40.2 ; 36.15,40.38 36.06,40.28 35.77,40.28 35.77,40.81 ; 36.15,40.38 36.15,40.52 ; 36.15,40.2 36.1,40.15 35.77,40.15 ; 36.15,40.2 36.15,40 ; 35.77,40.81 35.77,41.45 36.6,41.45 ; 35.77,40.81 U22.4 ; 89.47,13.8 89.05,13.8 U4.K3 89.25,13.3 v1(89.35,13.3) ; U4.C3 v1(83.7,13.25) ; U4.G6 v1(86.15,16.4) 86.05,16.4 U4.F6 ; C54.2 v1(57.07,8.3) ; 41.38,39.92 41.4,39.92 41.5,39.83 U3.1 42.42,38.98 ; U12.5 v1(58.57,11.69) ; U4.E2 v1(85.3,12.45) ; 47.77,58.17 48.03,57.92 C28.1 ; C25.2 46.63,57.95 46.85,58.17 ; 62.27,55.92 62.27,56.15 62.55,56.43 U8.6 ; v1(87.88,8.45) 87.78,8.45 ; 42.7,33.75 C123.2 43.2,34.55 43.4,34.35 ; 64.97,56.17 65.1,56.05 C32.1 ; 42.99,77.22 42.97,77.25 ; 46.6,59.35 46.6,59.23 45.2,57.83 ; v1(30.32,11.55) 30.32,10.18 v1(30.3,10.15) ; U4.E5 v1(84.5,14.85) ; U4.B2 v1(82.9,13.25) ; U4.J4 v1(88.5,14.85)